# KiCad board afterglow_nano_smd.kicad_pcb (continued)
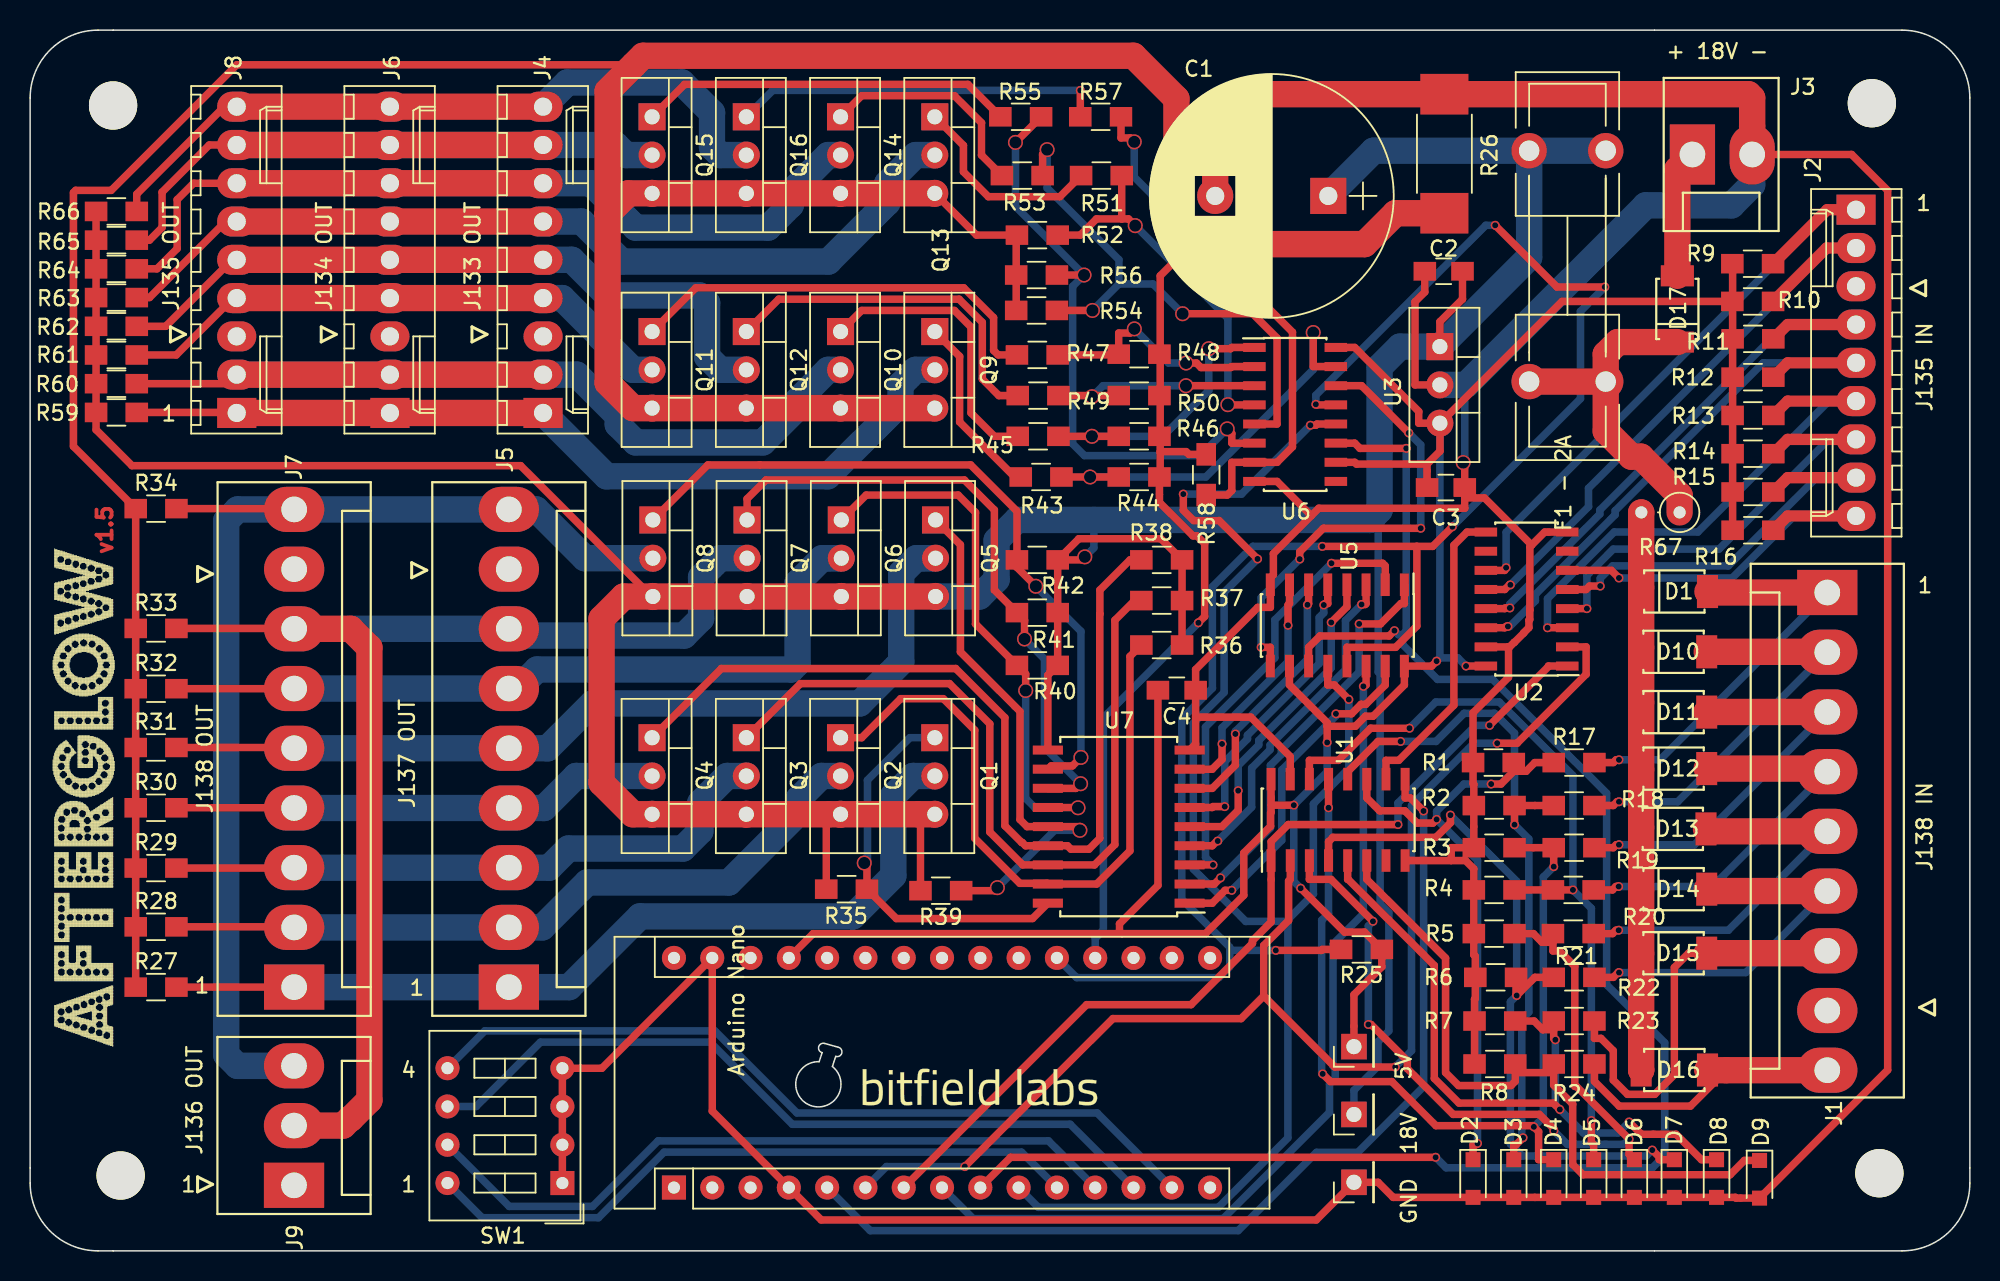
[diagram p0: board, top side]
## Nets (continued)
Net-(U2-Pad7): U2.7
Net-(U2-Pad10): U2.10
Net-(U5-Pad1): U5.1 U7.2
Net-(U5-Pad2): U5.2 U7.3
Net-(U5-Pad3): U5.3 U7.4
Net-(U5-Pad4): U5.4 U7.5
Net-(U5-Pad5): U5.5 U7.6
Net-(U5-Pad6): U5.6 U7.7
Net-(U5-Pad7): U5.7 U7.8
Net-(U5-Pad9): U5.9 U6.14
Net-(U5-Pad15): U5.15 U7.1
Net-(U6-Pad9): U6.9

## Via types
v1: diameter 1, hole 0.8, Top to Bottom, 29 vias
v2: diameter 0.6, hole 0.4, Top to Bottom, 84 vias

## Routing (per net, layer and track width the routed paths; a pad name or vN(x,y) marks a point on that pad's centre or on a via; arc(x,y) is an arc through that point)
/5V: length 180.3
  Top w0.5: 82.31,29.57 U1.16 ; 82.31,29.57 v2(83.81,29.57) ; 82.31,29.57 82.31,29.1 82.27,29.07 82.27,28.18 80.49,26.4 80.49,23.59 77.95,21.05 72.4,21.05 ; 93.51,54.92 93.52,54.92 101.6,63 R10.2 112.9,62.52 112.91,62.5 ; 93.51,54.92 U3.3 92.1,54.92 92.1,55.7 87.85,59.94 U6.16 ; 93.51,54.92 93.51,53.06 92.65,52.2 ; Arduino Nano.27 51.93,21.05 72.4,21.05 ; 112.91,62.5 112.91,65.48 R9.2 ; 112.91,62.5 R11.2 R12.2 R13.2 R14.2 R15.2 R16.2 ; 72.4,21.05 72.25,21.2 72.25,21.7 74.8,24.25 C4.2 ; C3.1 92.65,52.2 ; U2.16 v2(95.24,38.81) ; 5V.1 87.8,17 89.65,18.85 R25.1 88.5,21.15 87.18,21.15 v2(84.26,24.06) ; v2(86.02,33.74) 86.02,34.81 ; 86.02,34.81 86.02,35.05 83.53,37.55 U5.10 ; 86.02,34.81 87.9,34.81 88.57,35.48 89.07,35.48 91.14,37.55 91.14,38.8 92.95,38.8 v2(93.28,39.13) ; 92.65,52.2 87.97,52.2 87.85,52.33 U6.10
  Bottom w0.5: v2(84.26,24.06) 83.81,24.52 v2(83.81,29.57) 86.02,31.79 v2(86.02,33.74) ; 93.5,39.35 U3.3 ; 93.5,39.35 v2(93.28,39.13) ; 93.5,39.35 94.69,39.35 v2(95.24,38.81)
/18V: length 284.6
  Top w0.5: v1(69.95,46.05) 69.75,45.85 R42.1 ; R42.1 69.55,47.25 75,47.25 R38.1 R37.1 R36.1 ; R42.1 R41.1 R40.1 67.5,38.2 U7.10 ; 58.88,28.97 59.05,28.8 R39.1 ; C2.1 95,63.15 93.5,61.65 U3.1 ; 52.97,28.97 52.8,28.8 R35.1 ; Q8.3 41.21,43.42 32.53,52.1 6.75,52.1 4.37,54.48 R59.2 R60.2 R61.2 R62.2 R63.2 R64.2 R65.2 R66.2
  Top w1.75: Q1.3 Q2.3 Q3.3 Q4.3 39.98,28.97 37.9,31.05 37.9,41.95 39.37,43.42 Q8.3 Q7.3 Q6.3 Q5.3
  Bottom w0.5: v1(69.95,46.05) 70.55,46.65 70.55,48.5 ; 89.18,48.83 89.41,48.6 89.41,38.41 89.54,38.29 89.54,23.02 90.12,22.44 90.12,14.6 89.4,13.88 89.4,12.25 87.8,10.65 18V.1
  Bottom w1.75: F1 - 2A.1 99.42,65.92 U3.1 90.85,60 89.5,58.65 89.5,49.15 88.85,48.5 65.45,48.5 64.1,47.15 64.1,44.55 62.97,43.42 Q5.3 ; F1 - 2A.1 89.1,73 C1.1 ; F1 - 2A.1 F1 - 2A.1
GND: length 373.5
  Top w0.5: 94.25,25.9 95.2,25.9 95.75,25.35 R4.2 R5.2 95.75,19.65 95.85,19.55 R6.2 95.85,16.75 95.8,16.7 R7.2 R8.2 ; 94.25,25.9 94.25,26.75 R3.2 R2.2 95.75,30.95 95.7,31 R1.2 95.7,35.7 98.05,38.05 98.05,40.08 ; 94.25,25.9 U1.8 ; 114.21,74.62 J3.2 120.81,72.75 123.2,70.36 123.2,12 D9.2 113.15,3.5 113.1,3.55 D8.2 D7.2 D6.2 D5.2 D4.2 D3.2 D2.2 90.4,3.55 89.4,4.55 GND.1 85.3,2.05 52.47,2.05 Arduino Nano.4 45.24,9.28 Arduino Nano.29 37.92,12.12 SW1.4 SW1.3 SW1.2 SW1.1 ; 77.3,35.42 80.96,35.42 83.58,32.8 U1.15 ; 77.3,35.42 77.3,33.63 U7.9 ; 77.3,35.42 C4.1 77.3,38.58 81.42,42.7 82.25,42.7 U5.8 82.25,44.66 82.46,44.86 82.46,46.27 84.97,48.78 ; U2.8 100.45,47.69 99.59,46.83 ; 99.59,46.83 99.47,46.71 99.47,42.53 99.46,42.53 99.46,41.9 99.41,41.84 99.41,41.36 99.06,41.01 99.06,41 98.45,40.38 98.43,40.38 98.12,40.08 98.05,40.08 ; 99.59,46.83 96.46,49.96 95.15,49.96 ; U6.8 82.7,51.06 84.97,48.78 ; C2.2 92.5,63.62 91.85,62.97 91.85,57.46 U3.2 ; 95.15,49.96 95.15,49.27 85.47,49.27 84.97,48.78 ; 95.15,49.96 C3.2 95.15,52.2 v1(95.05,52.31) ; U2.15 98.05,40.08
  Top w1.75: C1.2 78.6,73.75 81.6,76.75 R26.1 113.96,76.75 114.21,76.5 J3.2
  Bottom w0.5: v1(95.05,52.31) 95.15,52.41 95.15,57.46 ; 114.21,71.74 J3.2
  Bottom w1.75: U3.2 95.23,57.46 107.15,69.38 112.85,69.38 114.21,70.74 J3.2
/CI1: length 40.8
  Top w0.5: v2(96,7.13) 95.91,7.05 95.7,7.05 D2.1 ; 98.4,31.82 99.22,31.82 99.8,32.4 R17.1 ; 98.4,31.82 97.55,30.97 v2(96.9,30.97) ; 98.4,31.82 R1.1 ; U1.11 88.66,30.05 89.51,29.2 91.18,29.2 91.99,28.39 93.04,28.39 v2(93.28,28.63)
  Bottom w0.5: v2(96.9,30.97) 95.09,30.97 93.28,29.17 v2(93.28,28.63) 96,25.92 v2(96,7.13)
/CI2: length 46.8
  Top w0.5: D3.1 98.4,7.05 98.56,7.05 v2(99.01,7.51) ; U1.12 87.39,31.79 89.4,33.8 v2(90.9,33.8) ; v2(98.45,28.28) R2.1 R18.1
  Bottom w0.5: v2(99.01,7.51) 98.93,7.59 98.93,15.37 99.4,15.84 99.4,27.33 v2(98.45,28.28) 98.45,34.35 97.13,35.67 95.11,35.67 93.24,33.8 v2(90.9,33.8)
/CI3: length 60.2
  Top w0.5: D4.1 100.05,6.05 100.05,7.91 v2(99.73,8.23) 99.66,8.31 93.24,8.31 90.31,11.23 86.24,11.23 v2(85.73,11.74) ; v2(101.05,25.49) R19.1 R3.1 ; v2(86.11,29.4) U1.13
  Bottom w0.5: v2(99.73,8.23) 100.36,8.86 100.36,24.8 v2(101.05,25.49) ; v2(86.11,29.4) 86.11,22.39 85.66,21.94 85.66,11.81 v2(85.73,11.74)
/CI4: length 52.3
  Top w0.5: U1.14 84.84,32.55 86.77,32.55 88.9,34.68 v2(91.48,34.68) ; v2(103.55,8.65) 103.55,7.2 103.7,7.05 D5.1 ; R4.1 R20.1 v2(102.32,23.95)
  Bottom w0.5: v2(103.55,8.65) 103.55,22.73 v2(102.32,23.95) 102.32,31.54 97.44,36.42 93.23,36.42 v2(91.48,34.68)
/CI5: length 55
  Top w0.5: v2(101.06,7.96) 101.06,8.09 100.1,9.06 94.38,9.06 91.34,12.09 91.34,12.62 88.93,15.02 v2(88.76,15.02) ; R21.1 101,20.47 ; 101,20.47 101,19.9 101.43,19.9 102.45,18.88 102.45,10.91 102.56,10.91 v2(106.05,7.42) 106.05,6.4 D6.1 ; 101,20.47 100.28,20.47 99.7,21.05 R5.1 ; v2(89.06,21.87) 86.28,24.65 84.84,24.65 U1.3
  Bottom w0.5: v2(89.06,21.87) 88.76,21.56 v2(88.76,15.02) ; v2(101.06,7.96) 101.95,7.07 105.7,7.07 v2(106.05,7.42)
/CI6: length 50.1
  Top w0.5: 98.59,17 98.55,17 R6.1 ; 98.59,17 98.65,17 99.8,18.15 R22.1 ; 98.59,17 v2(98.59,16.94) ; U1.4 86.11,27.15 86.4,27.44 93.24,27.44 94.2,28.4 v2(94.2,28.91) ; v2(107.59,6.69) 108.05,6.23 108.05,6.05 D7.1
  Bottom w0.5: v2(107.59,6.69) 107.19,6.3 98.98,6.3 98.18,7.1 98.18,16.52 v2(98.59,16.94) 98.59,24.52 v2(94.2,28.91)
/CI7: length 47.2
  Top w0.5: R7.1 99.75,15.25 100.33,14.67 101.05,14.67 ; v2(101.46,9.38) 101.03,9.81 94.77,9.81 93.13,11.45 93.13,18.94 87.42,24.65 87.39,24.65 U1.5 ; v2(101.16,14.01) 101.07,14.1 101.05,14.1 101.05,14.67 ; v2(106.05,8.55) 106.86,7.74 109.16,7.74 110.85,6.05 D8.1 ; 101.05,14.67 R23.1
  Bottom w0.5: v2(106.05,8.55) 105.32,7.82 103.02,7.82 v2(101.46,9.38) 101.16,9.68 v2(101.16,14.01)
/CI8: length 45.3
  Top w0.5: 98.5,11.82 101.05,11.82 ; 98.5,11.82 98.5,11.25 98.22,10.97 94.74,10.97 93.88,11.83 93.88,19.43 88.66,24.65 U1.6 ; 98.5,11.82 R8.1 ; 101.05,11.82 R24.1 ; 101.05,11.82 101.05,10.99 102.31,9.73 102.31,5.73 102.99,5.05 112.75,5.05 113.7,6 D9.1
/CO1: length 26.3
  Top w0.5: v1(55.32,25.74) 55.5,25.56 R35.2 57.45,22.05 66.48,22.05 U7.18
  Bottom w0.5: v1(55.32,25.74) 55.53,25.95 55.53,31.23 58.35,34.05 Q1.1
/CO2: length 44.4
  Top w0.5: R36.2 72.94,39.44 72.94,26.54 70.74,24.34 U7.17 67.45,24.39 65.64,24.39 62.65,27.38 62.65,34.55 60.56,36.64 57.74,36.64 55.15,34.05 Q2.1
/CO3: length 52.9
  Top w0.5: R37.2 73.25,43.15 71.94,41.84 71.94,26.96 70.59,25.61 U7.16 65.83,25.61 63.65,27.79 63.65,34.96 60.98,37.64 51.09,37.64 Q3.1
/CO4: length 61.1
  Top w0.5: R38.2 72.95,45.85 70.95,43.85 70.95,42.26 70.94,42.26 70.94,27.37 70.22,26.66 69.02,26.66 68.8,26.88 U7.15 66.02,26.88 65.8,27.1 65.76,27.1 64.65,28.21 64.65,35.38 61.39,38.64 45.84,38.64 Q4.1
/CO5: length 35.9
  Top w0.5: Q5.1 61.7,46.85 61.7,39.74 65.65,35.79 65.65,28.62 66.12,28.15 U7.14 69.65,28.15 ; v1(64.15,24.1) 63.95,23.9 R39.2
  Bottom w0.5: v1(64.15,24.1) 67.96,27.91 v1(69.62,27.91)
/CO6: length 36.2
  Top w0.5: v1(69.5,29.4) 69.48,29.42 U7.13 ; v1(66.03,37.18) 66.03,38.27 R40.2 62.7,41.6 62.7,49 61.55,50.15 55.45,50.15 Q6.1
  Bottom w0.5: v1(69.5,29.4) 66.65,29.4 66.03,30.02 v1(66.03,37.18)
/CO7: length 42
  Top w0.5: v1(65.95,40.6) 65.95,41.85 R41.2 63.95,43.85 63.95,49.16 61.96,51.15 48.8,51.15 47.55,49.9 Q7.1 ; U7.12 69.36,30.69 v1(69.67,31)
  Bottom w0.5: v1(65.95,40.6) 67.28,39.27 67.28,33.39 v1(69.67,31)
/CO8: length 47.5
  Top w0.5: Q8.1 44.95,52.15 48.39,52.15 62.38,52.15 65.45,49.08 R42.2 65.45,45.35 v1(66.7,44.1) ; U7.11 67.72,32.18 69.13,32.18 v1(69.69,32.74)
  Bottom w0.5: v1(66.7,44.1) 69.69,41.11 v1(69.69,32.74)
/IN_CLK: length 88.1
  Top w0.5: v2(97.3,33.69) 98.63,33.69 103.2,38.26 103.2,40.08 U2.2 ; 81.82,16.91 86.53,12.2 v2(90.54,12.2) ; 81.82,16.91 81.82,20.27 83.46,21.92 83.46,24.54 83.58,24.65 U1.2 ; 81.82,16.91 80.32,15.41 71.81,15.41 v2(61.99,5.59)
  Bottom w0.5: v2(61.99,5.59) 56.79,5.59 Arduino Nano.6 ; v2(90.54,12.2) 91.62,13.28 91.62,29.55 95.75,33.69 v2(97.3,33.69)
/IN_DATA: length 65.8
  Top w0.5: U1.9 91.19,30.05 91.56,30.05 v2(92.42,29.19)
  Bottom w0.5: Arduino Nano.5 55.72,1.34 80.12,1.34 85.32,6.53 88.06,6.53 92.42,10.9 v2(92.42,29.19)
/IN_LOAD: length 62.4
  Top w0.5: U2.1 100.7,38.81 100.7,38.77 v2(96.8,34.87) ; v2(90.72,28.29) 83.44,28.29 82.31,27.15 U1.1 82.31,21.82 81.07,20.58 81.07,20.4 77,16.34 70.08,16.34 Arduino Nano.7
  Bottom w0.5: v2(90.72,28.29) 90.72,29.72 95.87,34.87 v2(96.8,34.87)
/J133_RO1: length 58.3
  Top w0.5: J8.1 13.66,55.64 R59.1
  Top w1.75: J4.1 J6.1 J8.1
  Bottom w1.75: Q9.2 58.73,58.46 57.72,57.46 57.72,56.22 52.89,51.39 38.23,51.39 J4.1
/J133_RO2: length 71.7
  Top w0.5: J8.2 13.1,57.54 R60.1
  Top w1.75: J8.2 J6.2 J4.2
  Bottom w1.75: J8.2 J6.2 J4.2 36.26,58.14 38.98,55.42 38.98,54.83 40.16,53.64 48.59,53.64 50.7,55.75 50.7,56.24 52.92,58.46 Q10.2
/J133_RO3: length 37.8
  Top w0.5: J8.4 13.47,63.22 9.69,59.44 R61.1
  Top w1.75: J4.4 J6.4 J8.4
  Bottom w1.75: Q11.2 39.98,58.46 37.8,60.64 37.8,60.71 35.29,63.22 J4.4
/J133_RO4: length 47.4
  Top w0.5: R62.1 8.99,61.35 13.4,65.76 J8.5
  Top w1.75: J4.5 J6.5 J8.5
  Bottom w1.75: J4.5 35.93,65.76 38.29,63.39 44.41,63.39 44.9,62.9 44.9,59.33 45.77,58.46 Q12.2
/J133_RO5: length 59.8
  Top w0.5: R63.1 7.92,63.25 12.96,68.3 J8.6
  Top w1.75: J8.6 J6.6 J4.6
  Bottom w1.75: Q13.2 58.73,72.71 56.85,70.83 56.85,69.55 52.94,65.64 39.23,65.64 36.57,68.3 J4.6
/J133_RO6: length 75
  Top w0.5: R64.1 8.41,65.16 9.75,66.5 9.75,69.75 10.84,70.84 J8.7
  Top w1.75: J4.7 J6.7 J8.7
  Bottom w1.75: Q14.2 52.92,72.71 50.45,70.24 50.45,69.4 48.94,67.9 40.16,67.9 37.21,70.84 J4.7 J6.7 J8.7
/J133_RO7: length 58.8
  Top w0.5: R65.1 7.91,67.06 8.75,67.9 8.75,70.25 11.88,73.38 J8.8
  Top w1.75: J8.8 J6.8 J4.8
  Bottom w1.75: Q15.2 39.52,72.71 38.84,73.38 J4.8 J6.8 J8.8
/J133_RO8: length 48
  Top w0.5: R66.1 7.07,70.12 12.87,75.92 J8.9
  Top w1.75: J4.9 J6.9 J8.9
  Bottom w1.75: Q16.2 45.77,72.71 45.22,73.25 45.22,75.53 43.22,77.53 35.62,77.53 J4.9
/J137_CO1: length 59.2
  Top w0.5: R27.2 J7.1
  Bottom w1.75: Q1.2 58.56,31.51 57.25,30.2 57.25,24.89 54.56,22.19 40.45,22.19 35.75,17.5 J5.1 J7.1
/J137_CO2: length 48.8
  Top w0.5: J7.2 17.47,21.5 R28.2
  Bottom w1.75: J7.2 J5.2 33.96,21.46 36.94,24.44 46.34,24.44 51,29.1 51,30.03 52.48,31.51 Q2.2
/J137_CO3: length 41.5
  Top w0.5: R29.2 17.49,25.4 ; 17.49,25.4 J7.3 ; 17.49,25.4 17.5,25.41 ; J7.3 17.5,25.41 ; J7.3 17.5,25.41
  Bottom w1.75: Q3.2 46.23,31.51 44.45,29.73 44.45,27.85 43.29,26.69 35.69,26.69 34.42,25.42 J5.3 J7.3
/J137_CO4: length 32.4
  Top w0.5: J7.4 17.5,29.4 R30.2
  Bottom w1.75: Q4.2 36.21,31.51 34.09,29.39 J5.4 J7.4
/J137_CO5: length 59.9
  Top w0.5: R31.2 17.46,33.4 J7.5
  Bottom w1.75: 59.22,45.96 58.78,45.96 57.78,44.96 57.78,39.08 55.03,36.33 37.3,36.33 34.32,33.35 J5.5 J7.5 ; 59.22,45.96 Q5.2 59.22,45.96
/J137_CO6: length 51.6
  Top w0.5: R32.2 17.5,37.3 J7.6
  Bottom w1.75: J7.6 J5.6 32.35,37.31 33.62,38.58 50.47,38.58 50.9,39 50.9,44.33 52.53,45.96 52.97,45.96 ; 52.97,45.96 Q6.2 52.97,45.96
/J137_CO7: length 83.1
  Top w0.5: R33.2 17.48,41.3 ; 17.48,41.3 J7.7 17.48,41.3
  Top w1.75: J9.2 20.76,8.31 21.21,8.76 21.26,8.76 22.5,10 22.5,40.03 21.26,41.27 J7.7
  Bottom w1.75: J7.7 J5.7 32.2,40.83 43.38,40.83 44.5,41.95 44.5,44.7 45.76,45.96 Q7.2
/J137_CO8: length 78
  Top w0.5: R34.2 17.46,49.25 J7.9
  Bottom w0.5: 17.5,12.28 J9.3
  Bottom w1.75: 17.5,12.28 13.75,12.28 13,13.03 13,48.44 13.76,49.2 J7.9 J5.9 33.55,49.2 36.79,45.96 Q8.2
/OUT_CLK: length 116.1
  Top w0.5: v2(91.27,53.25) 88.2,53.25 87.85,53.59 U6.11 ; v2(90.49,41.15) 90.14,40.8 85.55,40.8 84.8,40.05 U5.11 ; Arduino Nano.9 65.03,6.21 v2(93.22,6.21)
  Bottom w0.5: 91.02,40.89 91.27,41.14 v2(91.27,53.25) ; 91.02,40.89 90.75,40.89 v2(90.49,41.15) ; 91.02,40.89 91.02,40.24 93.34,37.92 97,37.92 104.56,30.36 104.56,17.66 108.41,13.81 108.41,6.33 107.6,5.51 93.92,5.51 v2(93.22,6.21)
/OUT_DATA: length 60.3
  Top w0.5: U5.14 88.61,37.55 88.52,37.55 v2(88.43,37.46)
  Bottom w0.5: v2(88.43,37.46) 88.43,22.36 86.41,20.35 86.41,12.26 86.56,12.11 86.56,11.45 86.18,11.07 86.18,9.2 79.12,2.14 62.54,2.14 Arduino Nano.8
/OUT_LOAD: length 103.5
  Top w0.5: v2(84.91,54.78) 85.27,54.78 85.35,54.86 U6.12 ; v2(81.41,45.91) 78.86,48.46 77.17,48.46 76.48,49.15 v2(76.48,50.21) ; U5.12 86.06,37.55 86.5,37.55 v2(87.46,36.59)
  Bottom w0.5: 83.29,21.86 83.42,21.73 83.42,7.5 78.81,2.89 66.87,2.89 Arduino Nano.10 ; 83.29,21.86 85.11,23.68 85.11,29.66 87.46,32.01 v2(87.46,36.59) ; 83.29,21.86 80.63,21.86 77.15,25.34 77.15,35.01 79.19,37.06 79.19,43.7 v2(81.41,45.91) ; v2(84.91,54.78) 80.34,50.21 v2(76.48,50.21)
/RI1: length 42.9
  Top w0.5: U2.11 97.8,45.16 97.8,45.24 v2(97.89,45.33)
  Top w0.75: J2.1 119.19,69.09 R9.1
  Bottom w0.5: J2.1 119.3,69.09 97.89,47.68 v2(97.89,45.33)
/RI2: length 41.6
  Top w0.5: U2.12 97.8,43.89 98.11,44.19 v2(98.18,44.19)
  Top w0.75: R10.1 119.15,66.55 J2.2
  Bottom w0.5: v2(98.18,44.19) 103.36,49.38 103.36,50.61 119.3,66.55 J2.2
/RI3: length 38.5
  Top w0.5: U2.13 97.8,42.61 97.85,42.66 v2(98.14,42.66)
  Top w0.75: 115.62,60.52 116.56,61.47 J2.4
  Bottom w0.5: J2.4 116.42,61.47 104.11,49.16 104.11,48.89 98.14,42.92 v2(98.14,42.66)
/RI4: length 38.1
  Top w0.5: v2(98.01,41.43) 97.89,41.43 97.8,41.34 U2.14
  Top w0.75: 115.62,57.97 116.56,58.92 J2.5
  Bottom w0.5: v2(98.01,41.43) 98.13,41.43 99.84,43.13 99.84,43.56 105.13,48.85 105.13,49.11 114.94,58.92 J2.5
/RI5: length 35
  Top w0.5: U2.3 v2(100.64,41.34)
  Top w0.75: J2.6 116.56,56.39 115.62,55.44
  Bottom w0.5: J2.6 119.3,56.39 110.61,47.7 105.06,47.7 100.64,43.27 v2(100.64,41.34)
/RI6: length 31
  Top w0.5: U2.4 v2(103.25,42.61)
  Top w0.75: J2.7 116.56,53.84 115.62,52.89
  Bottom w0.5: J2.7 119.3,53.84 112.02,46.57 105,46.57 103.25,44.82 v2(103.25,42.61)
/RI7: length 28.4
  Top w0.5: v2(104.14,44.11) 103.43,44.11 103.2,43.89 U2.5
  Top w0.75: J2.8 116.56,51.31 115.62,50.36
  Bottom w0.5: J2.8 118.48,51.31 112.63,45.45 104.95,45.45 104.14,44.63 v2(104.14,44.11)
/RI8: length 26.9
  Top w0.5: U2.6 104.87,45.16 v2(105.38,44.65)
  Top w0.75: J2.9 116.56,48.77 115.62,47.81
  Bottom w0.5: v2(105.38,44.65) 112.89,44.65 117.01,48.77 J2.9
/RO1: length 27.8
  Top w0.5: v1(85.1,60.93) 85.1,58.67 U6.15 ; R43.2 v1(70.3,51.35) R44.2
  Bottom w0.5: v1(85.1,60.93) 85.1,58.48 77.97,51.35 v1(70.3,51.35)
/RO2: length 18.9
  Top w0.5: U6.1 79.7,59.94 79.62,59.86 v1(78.17,59.86) ; 70.33,54.05 v1(70.42,54.05) ; 70.33,54.05 v1(70.42,54.05) ; 70.33,54.05 R45.2 ; v1(70.42,54.05) R46.2
  Bottom w0.5: v1(78.17,59.86) 78.17,57.09 75.14,54.05 v1(70.42,54.05)
/RO3: length 15.7
  Top w0.5: U6.2 79.7,58.67 79.64,58.61 77.66,58.61 77.36,58.91 v1(76.67,58.91) ; v1(73.23,61.18) 72.96,60.9 72.2,60.9 R48.2 72.15,59.45 R47.2
  Bottom w0.5: v1(76.67,58.91) 75.5,58.91 v1(73.23,61.18)
/RO4: length 15.2
  Top w0.5: U6.3 v1(76.66,57.41) ; 70.5,56.75 R50.2 ; 70.5,56.75 R49.2 ; 70.5,56.75 v1(70.42,56.67)
  Bottom w0.5: v1(76.66,57.41) 71.16,57.41 v1(70.42,56.67)
/RO5: length 24.8
  Top w0.5: R52.2 69.65,67.4 70.72,68.47 72.4,68.47 ; 72.4,68.47 R51.2 ; 72.4,68.47 72.85,68.47 v1(73.29,68.03) ; U6.4 79.45,56.14 v1(79.44,56.15)
  Bottom w0.5: v1(73.29,68.03) 79.44,61.88 v1(79.44,56.15)
/RO6: length 36.7
  Top w0.5: R53.2 67.15,72.77 v1(67.45,73.07) ; v1(76.44,62.18) 81.09,62.18 82.7,60.57 82.7,54.86 U6.5 ; v1(70.46,62.4) R54.2
  Bottom w0.5: 72.21,64.16 v1(70.46,62.4) ; 72.21,64.16 74.46,64.16 v1(76.44,62.18) ; 72.21,64.16 72.21,65.77 67.45,70.53 v1(67.45,73.07)
/RO7: length 40.3
  Top w0.5: U6.6 79.7,53.59 79.7,54.24 v1(79.39,54.54) ; R56.2 v1(69.9,64.75) ; v1(65.35,73.55) R55.2
  Bottom w0.5: v1(79.39,54.54) 77.62,52.77 69.92,52.77 69.14,53.55 69.14,63.99 v1(69.9,64.75) 65.35,69.3 v1(65.35,73.55)
/RO8: length 35.2
  Top w0.5: R57.2 72.35,73.85 72.97,73.85 v1(73.23,73.59) ; v1(80.36,64.12) 80.56,64.12 83.72,60.96 83.72,53.35 82.7,52.33 U6.7 79.7,52.33 79.7,50.45 79.4,50.15 R58.2
  Bottom w0.5: v1(73.23,73.59) 73.23,71.26 v1(80.36,64.12)
/SUP_GND: length 295.7
  Top w0.5: 74.95,53.03 74.95,51.76 ; 74.95,53.03 76.67,53.03 76.85,52.85 R58.1 ; 74.95,53.03 74.95,54.3 ; 74.95,51.76 74.95,51.45 ; 74.95,51.76 74.9,51.71 R44.1 74.9,49.67 77.13,47.44 77.39,47.44 77.9,46.93 77.9,42.09 v2(77.48,41.67) ; R50.1 74.9,56.84 74.95,56.89 ; 77.05,66.8 74.95,64.7 74.95,59.48 ; R46.1 74.9,54.25 74.95,54.3 ; Q13.3 62.77,67.4 R52.1 65.4,67.35 R56.1 R54.1 ; R27.1 R28.1 R29.1 R30.1 R31.1 R32.1 R33.1 R34.1 2.87,53.38 2.87,70.22 3.02,70.37 5.38,70.37 13.71,78.7 40.88,78.7 ; 74.95,54.3 74.95,56.89 ; R48.1 74.92,59.48 74.95,59.48 ; 74.95,59.48 74.95,56.89
  Top w1.75: Q13.3 Q14.3 Q16.3 Q15.3 39.67,70.17 38.3,68.8 ; 38.3,68.8 38.3,57.6 39.98,55.92 Q11.3 Q12.3 Q10.3 Q9.3 ; 38.3,68.8 38.3,76.95 40.65,79.3 73.17,79.3 76.03,76.45 76.03,67.83 77.05,66.8 88.5,66.8 90.55,68.85 R26.2
  Bottom w0.5: v2(77.48,41.67) 71.18,35.37 71.18,21.28 70.64,20.74 Arduino Nano.19
Net-(A1-Pad11): length 44.1
  Bottom w0.5: Arduino Nano.11 65.75,6.55 42.05,6.55 37.7,2.2 29.98,2.2 SW1.8
Net-(A1-Pad12): length 47.7
  Bottom w0.5: SW1.7 31.77,2.95 37.3,2.95 41.65,7.3 67.54,7.3 Arduino Nano.12
Net-(A1-Pad13): length 51.3
  Bottom w0.5: SW1.6 29.58,9.58 33.85,13.85 45.1,13.85 50.55,8.4 68.98,8.4 Arduino Nano.13
Net-(A1-Pad14): length 53.4
  Bottom w0.5: Arduino Nano.14 70.77,9.15 50.86,9.15 45.41,14.6 30.16,14.6 SW1.5
Net-(A1-Pad20): length 124
  Top w0.5: v2(104.44,63.96) 101.26,63.96 v2(97.17,68.05) ; 91.97,46.75 v2(85.7,46.75) ; 91.97,46.75 91.97,41.46 90.57,40.05 87.33,40.05 U5.13 ; 91.97,46.75 93.02,46.75 v2(94.33,48.05) ; v2(82.62,19.94) 85.64,19.94 85.7,20 R25.2 ; v2(85.27,56.17) 85.31,56.17 85.35,56.14 U6.13
  Bottom w0.5: v2(94.33,48.05) 102.82,56.55 102.82,62.34 v2(104.44,63.96) ; v2(97.17,68.05) 96.54,68.05 85.27,56.78 v2(85.27,56.17) ; v2(85.7,46.75) 81.09,46.75 78.42,44.07 78.42,37.34 76.38,35.31 76.38,23.33 79.56,20.15 79.56,19.94 ; Arduino Nano.20 69.41,18.13 78.84,18.13 79.56,18.85 79.56,19.94 ; 79.56,19.94 v2(82.62,19.94)
Net-(D1-Pad1): length 38.6
  Top w0.5: 106.85,31.97 106.84,31.97 D12.1 ; 106.85,44.02 106.85,44.02 D1.1 ; D13.1 106.81,28.06 106.85,28.06 ; 106.85,36.4 106.8,36.35 D11.1 ; 106.85,40.05 106.8,40 D10.1 ; D14.1 106.85,24 ; D15.1 106.85,19.75
  Top w1.75: D16.1 106.85,12 106.85,48.99 R67.2
Net-(D1-Pad2): length 28.1
  Top w0.5: 111.28,43.72 D1.2 ; v2(105.38,32.58) 105.18,32.58 105,32.4 R17.2
  Top w1.75: D1.2 111.31,43.69 J1.1
  Bottom w0.5: J1.1 108.09,32.58 v2(105.38,32.58)
Net-(D10-Pad2): length 27.7
  Top w0.5: v2(105.38,29.8) 105.25,29.8 105,29.55 R18.2
  Top w1.75: J1.2 119.17,39.75 D10.2
  Bottom w0.5: J1.2 109.27,29.8 v2(105.38,29.8)
Net-(D11-Pad2): length 27.2
  Top w0.5: R19.2 105,26.75 105.2,26.95 v2(105.38,26.95) ; 111.2,35.76 D11.2
  Top w1.75: D11.2 111.21,35.76 J1.3
  Bottom w0.5: v2(105.38,26.95) 110.38,26.95 J1.3
Net-(D12-Pad2): length 26.8
  Top w0.5: R20.2 104.95,23.95 105.18,24.18 v2(105.36,24.18)
  Top w1.75: J1.4 118.99,32 D12.2
  Bottom w0.5: v2(105.36,24.18) 111.57,24.18 J1.4
Net-(D13-Pad2): length 26.5
  Top w0.5: v2(105.36,21.28) 105.18,21.28 104.95,21.05 R21.2 ; 111.23,27.92 D13.2
  Top w1.75: J1.5 111.31,27.83 D13.2
  Bottom w0.5: v2(105.36,21.28) 112.63,21.28 J1.5
Net-(D14-Pad2): length 26
  Top w0.5: 111.26,23.94 D14.2 ; v2(105.38,18.47) 105.32,18.47 105,18.15 R22.2
  Top w1.75: D14.2 111.33,23.87 J1.6
  Bottom w0.5: J1.6 113.79,18.47 v2(105.38,18.47)
Net-(D15-Pad2): length 27.4
  Top w0.5: J1.7 119.19,19.91 ; R23.2 103.75,14.1 104.18,14.1 105,13.28 105,11.33 105.94,10.39 107.75,10.39 109.05,11.69 109.05,18.8 110,19.75 D15.2
  Top w1.75: 119.19,19.91 119.03,19.75 D15.2
Net-(D16-Pad2): length 19.5
  Top w0.5: R24.2 103.75,11.25 105.39,9.61 110.12,9.61 112.5,11.99 ; 111.26,11.99 D16.2
  Top w1.75: J1.9 111.26,11.99 D16.2
Net-(D17-Pad1): length 23.1
  Top w1.75: F1 - 2A.2 F1 - 2A.2 ; F1 - 2A.2 104.5,59.5 105.3,60.3 D17.1 ; F1 - 2A.2 104.5,54.4 106.2,52.7 106.83,52.7 109.4,50.13 R67.1
Net-(D17-Pad2): length 8.5
  Top w1.75: J3.1 109.25,71.75 D17.2
Net-(Q9-Pad1): length 12.2
  Top w0.5: R43.1 65.3,51.35 61.65,55 61.65,59.35 Q9.1
Net-(Q10-Pad1): length 19.1
  Top w0.5: R45.1 63.95,54.05 62.4,55.6 62.4,61.3 61.3,62.4 55.15,62.4 Q10.1
Net-(Q11-Pad1): length 28.5
  Top w0.5: Q11.1 44.15,63.9 61.92,63.9 63.9,61.92 63.9,59.75 64.2,59.45 R47.1
Net-(Q12-Pad1): length 23.7
  Top w0.5: Q12.1 49.65,63.15 61.61,63.15 63.15,61.61 63.15,57.85 64.25,56.75 R49.1
Net-(Q13-Pad1): length 13.5
  Top w0.5: Q13.1 61.9,73.35 61.9,71.6 63.55,69.95 68.3,69.95 R51.1
Net-(Q14-Pad1): length 14.7
  Top w0.5: Q14.1 55.15,76.65 61.3,76.65 63.1,74.85 63.1,72.7 R53.1
Net-(Q15-Pad1): length 24.9
  Top w0.5: R55.1 62.2,77.4 43.4,77.4 Q15.1
Net-(Q16-Pad1): length 24.6
  Top w0.5: v2(69.65,77) R57.1
  Bottom w0.5: Q16.1 49.25,77 v2(69.65,77)
Net-(U1-Pad10): length 20.4
  Top w0.5: U2.9 95.3,47.69 94.43,46.82 94.43,36.21 90.77,32.55 89.92,32.55 U1.10
Net-(U5-Pad1): length 27.7
  Top w0.5: v2(78.95,24.75) 78.54,24.34 U7.2 ; v2(88.15,41.6) 89.56,41.6 90.91,42.95 91.14,42.95 91.14,44.2
  Bottom w0.5: v2(78.95,24.75) 82.26,28.06 82.26,32.22 82.99,32.95 82.99,33.25 88.15,38.41 v2(88.15,41.6)
Net-(U5-Pad2): length 30.1
  Top w0.5: v2(86.31,45.62) 89.7,45.62 89.88,45.45 U5.2 ; U7.3 v2(78.45,25.61)
  Bottom w0.5: v2(86.31,45.62) 82.55,41.87 82.55,39.36 77.96,34.76 77.96,26.11 v2(78.45,25.61)
Net-(U5-Pad3): length 23.2
  Top w0.5: U7.4 78.4,26.88 78.71,27.19 v2(78.77,27.19) ; U5.3 88.61,42.95 88.55,42.89 v2(88.3,42.89)
  Bottom w0.5: v2(88.3,42.89) 87.24,41.83 87.24,38.56 82.24,33.56 82.24,33.26 81.02,32.04 81.02,29.44 v2(78.77,27.19)
Net-(U5-Pad4): length 21.6
  Top w0.5: U7.5 79.04,28.15 80.12,29.23 v2(80.12,30.53) ; v2(86.29,41.7) 87.33,42.74 U5.4
  Bottom w0.5: v2(86.29,41.7) 86.29,38.68 81.49,33.87 81.49,33.57 80.12,32.2 v2(80.12,30.53)
Net-(U5-Pad5): length 20
  Top w0.5: U5.5 86.06,42.95 85.89,42.95 v2(85.8,42.85) ; v2(79.23,29.48) 78.46,29.48 78.4,29.42 U7.6
  Bottom w0.5: v2(85.8,42.85) 85.8,42.33 85.49,42.03 85.49,38.97 80.74,34.21 80.74,33.97 79.23,32.46 v2(79.23,29.48)
Net-(U5-Pad6): length 17.7
  Top w0.5: U7.7 78.4,30.69 79.94,32.23 v2(79.94,34.3) ; U5.6 84.8,42.95 v2(84.72,42.87)
  Bottom w0.5: v2(84.72,42.87) 84.72,39.26 79.94,34.48 v2(79.94,34.3)
Net-(U5-Pad7): length 15.9
  Top w0.5: U5.7 83.53,42.95 83.43,42.85 v2(83.43,41.51) ; v2(79.05,33.64) 79.05,32.61 78.4,31.96 U7.8
  Bottom w0.5: v2(83.43,41.51) 83.43,39.09 79.05,34.72 v2(79.05,33.64)
Net-(U5-Pad9): length 30.7
  Top w0.5: v2(81.65,40.05) 82.25,40.05 U5.9 ; U6.14 88.31,57.41 v2(91.44,54.28) ; v2(84.2,45.9) 84.2,46.38 85.77,47.95 v2(92.23,47.95)
  Bottom w0.5: v2(84.2,45.9) 81.65,43.34 v2(81.65,40.05) ; v2(91.44,54.28) 92.23,53.48 v2(92.23,47.95)
Net-(U5-Pad15): length 23
  Top w0.5: v2(86.61,35.64) 87.64,35.64 88.27,36.27 88.59,36.27 89.88,37.55 U5.15 ; U7.1 78.4,23.07 79.25,23.92 v2(79.69,23.92)
  Bottom w0.5: v2(79.69,23.92) 83.01,27.24 83.01,31.91 86.61,35.5 v2(86.61,35.64)

## Text on the board
Bottom: (c) 2021 bitfield labs
B.Mask: (c) 2021 bitfield labs
Top: v1.5
F.Mask: v1.5
F.Silkscreen: 1 | 4 | + 18V - | J135 OUT | J136 OUT | J138 OUT | J134 OUT | J137 OUT | J133 OUT | J135 IN | J138 IN
